# Altium PCB S7CAS-PLEIADES-CARTE-MERE_P07 - BACKUP.PcbDoc (part 3 of 3)
Units mm, origin at the board's own origin, x right, y up, seen from the top; angles counter-clockwise.
Board outline 241.19 x 260.25 mm, 14 copper layers (Top, GND_1, SIG_1, GND_2, PWR_1, GND_3, PWR_2, PWR_3, GND_4, PWR_4, GND_5, SIG_2, GND_6, Bottom), stack 1.753 mm thick; 544 components, 385 nets, 2428 pads, 179 vias.
Unrouted connection lines stored in the file: 1578.
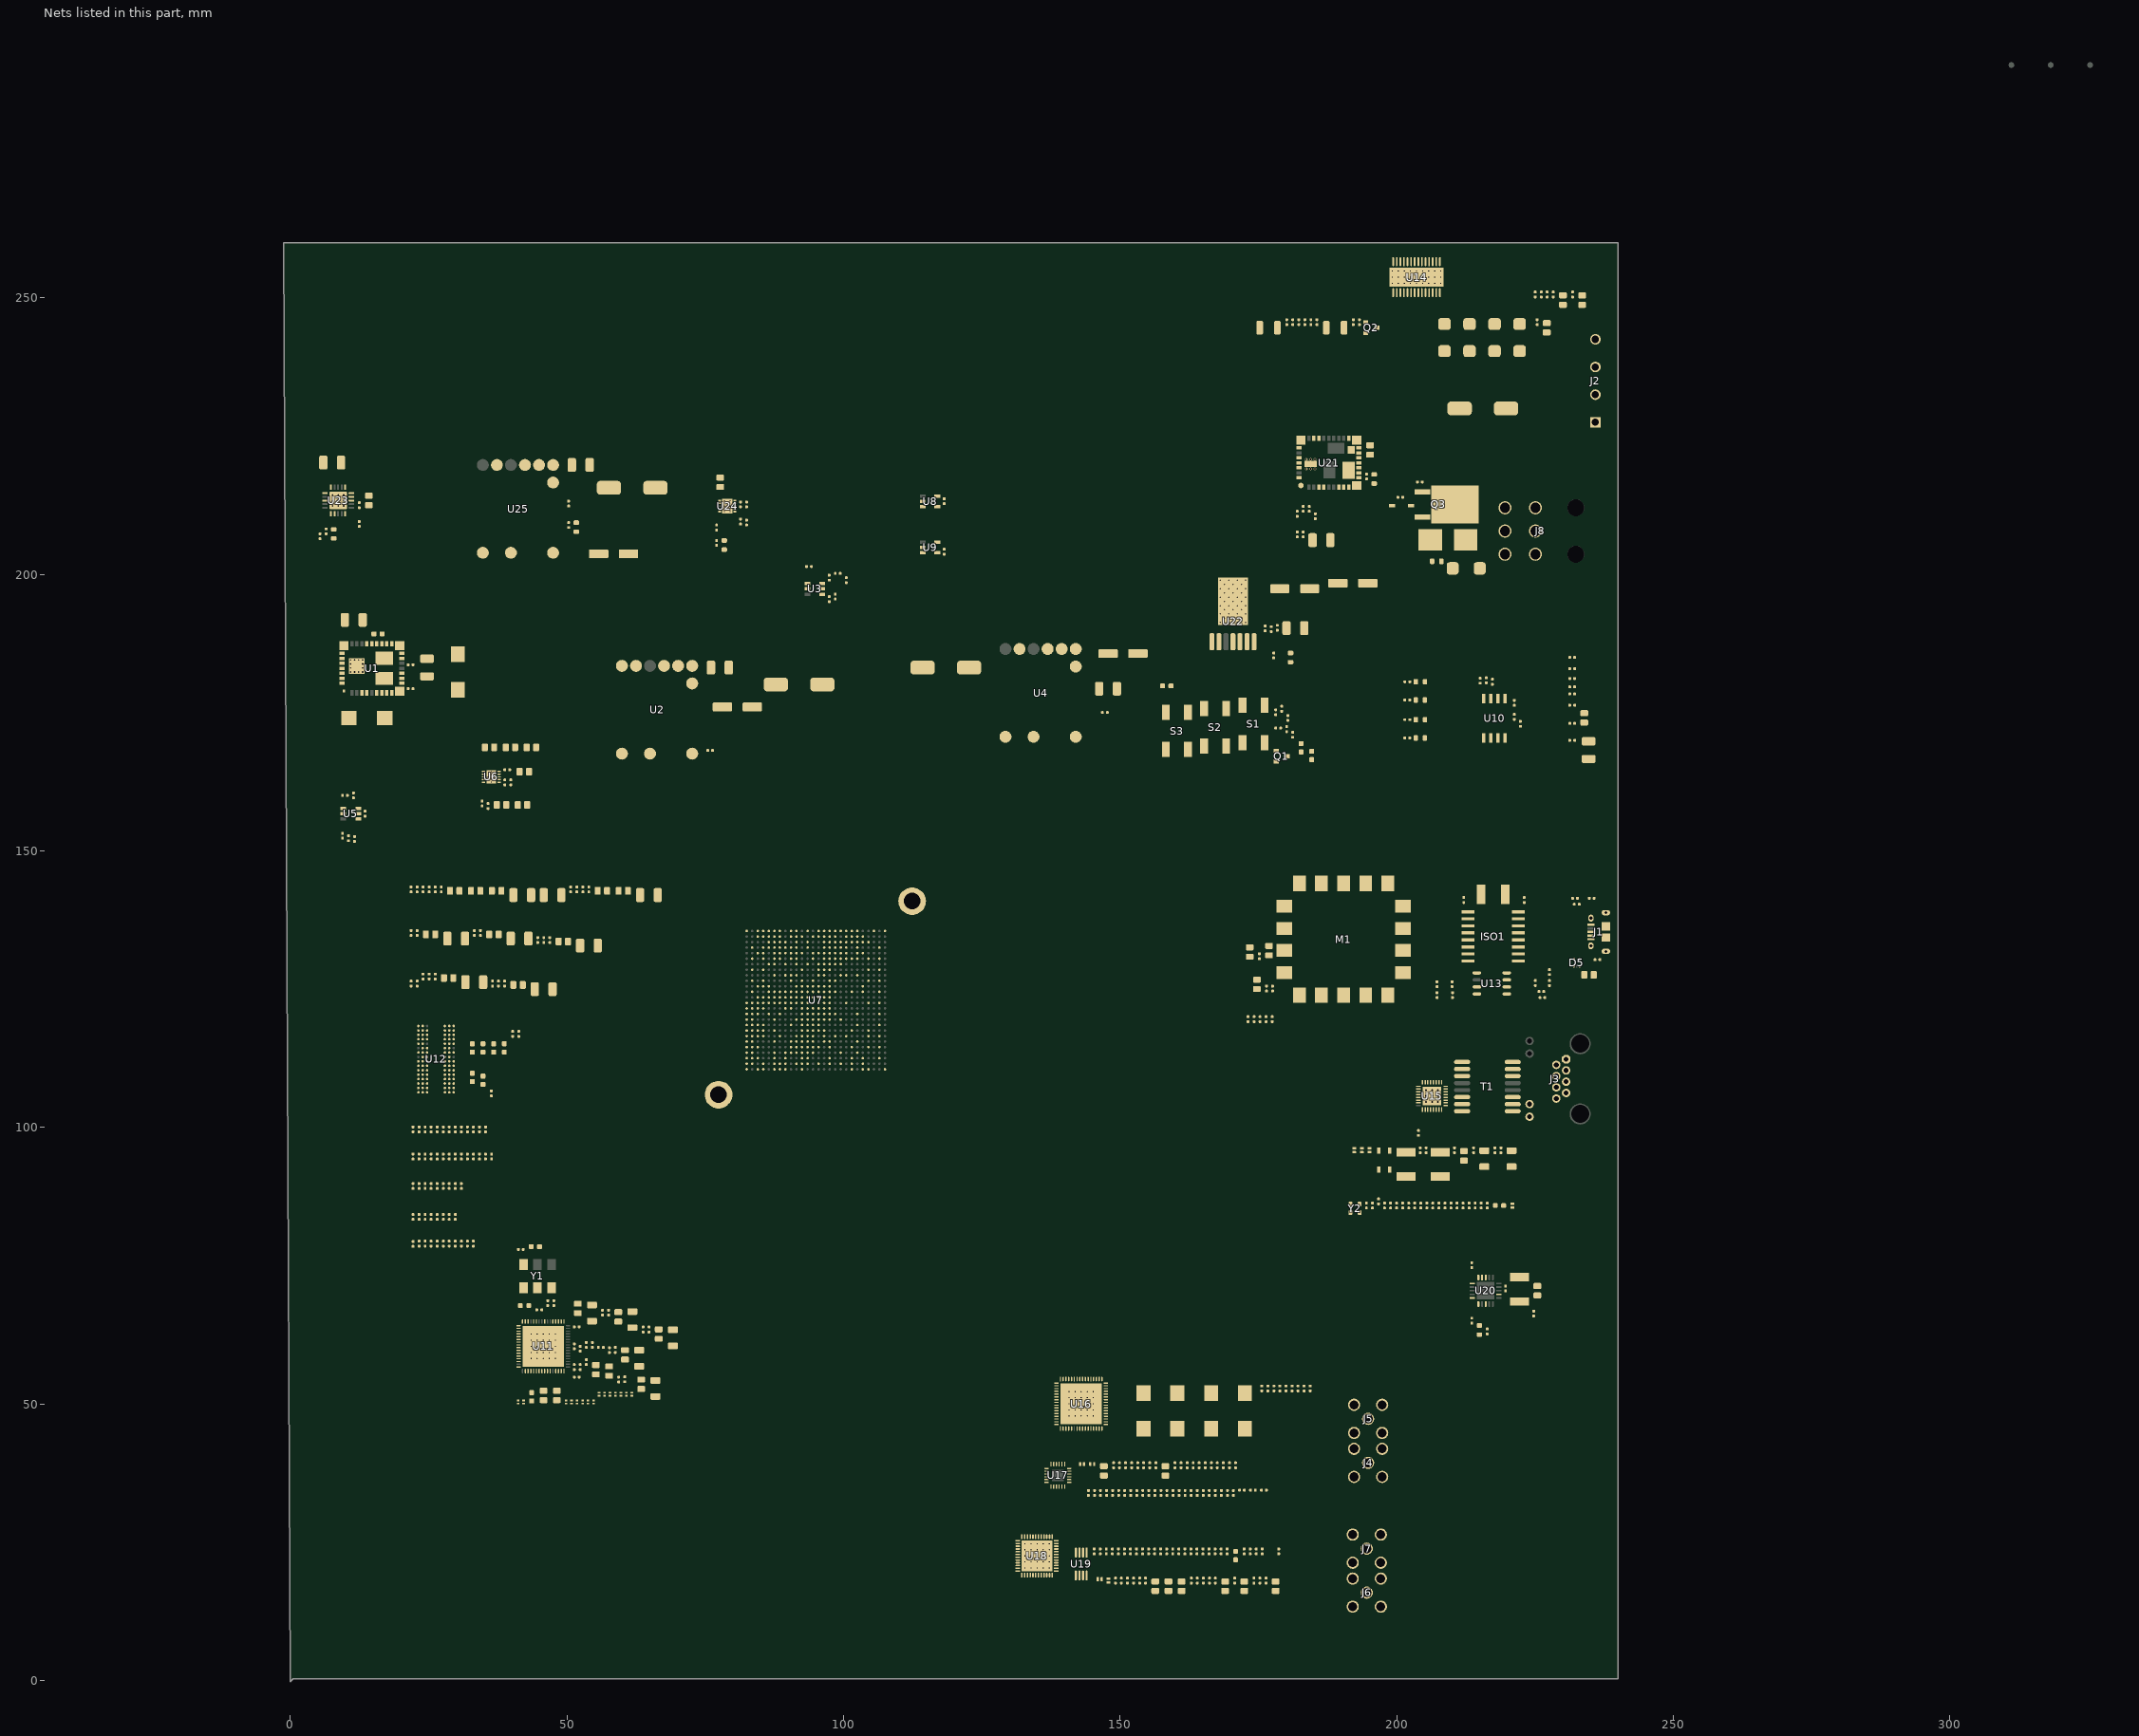
[diagram p13: the nets of this part, all layers, seen from the top]

## Part data (continued)
U15: library part COM_ETH_PHY_KSZ8091MNXCA, "COM - ETHERNET PHY 10/100 - QFN-32", Package=QFN-32, Supplier Part Number 1=576-4356-ND, Temperature="0°C ~ 70°C", Voltage="1.8V, 2.5V, 3.3V", CreatedBy="Jonathan Bouchard", HelpURL=http://ww1.microchip.com/downloads/en/DeviceDoc/00002275A.pdf, Mfg=Micrel, Mfg Part Number=KSZ8091MNXCA, Supplier 1=Digikey
U16: library part ADC_ADS62P48IRGCT, "ADC - 14 BIT 210MSPS SUAL - VQFN-64", Package=VQFN-64, Supplier Part Number 1=296-24611-1-ND, Temperature="-40°C ~ 85°C", Voltage="3.15 V ~ 3.6 V / 1.7 V ~ 1.9 V", CreatedBy="Jonathan Bouchard", HelpURL=http://www.ti.com/lit/ds/symlink/ads62p48.pdf, Mfg="Texas Instruments", Mfg Part Number=ADS62P48IRGCT, Precision="14 Bit", Supplier 1=Digikey
U17: library part OPAMP_ADA4927-2YCPZ-R2, "OPAMP - CFA 2.3GHZ - QFN-24", Current=65mA, Package=QFN-24, Supplier Part Number 1=ADA4927-2YCPZ-R2CT-ND, Temperature="-40°C ~ 105°C", Voltage="4.5 V ~ 11 V, ±2.25 V ~ 5.5 V", CreatedBy="Jonathan Bouchard", HelpURL=http://www.analog.com/media/en/technical-documentation/data-sheets/ADA4927-1_4927-2.pdf, Mfg="Analog Devices", Mfg Part Number=ADA4927-2YCPZ-R2, Supplier 1=Digikey
U18: library part DAC_AD9146BCPZ, "DAC - 16BIT SRL HIGH SPEED - QFN-48", Package=QFN-48, Supplier Part Number 1=AD9146BCPZ-ND, Temperature="-40°C ~ 85°C", Voltage="3.13 V ~ 3.47 V / 1.71 V ~ 1.89 V", CreatedBy="Jonathan Bouchard", HelpURL=http://www.analog.com/media/en/technical-documentation/data-sheets/AD9146.PDF, Mfg="Analog Devices Inc.", Mfg Part Number=AD9146BCPZ, Precision="16 Bit", Supplier 1=Digikey
U19: library part OPAMP_AD8056ARMZ, "OPAMP - VFB 300MHZ - 8MSOP", Current=60mA, Package=MSOP-8, Supplier Part Number 1=AD8056ARMZ-REEL7CT-ND, Temperature="-40°C ~ 125°C", Voltage="8 V ~ 12 V, ±4 V ~ 6 V", CreatedBy="Jonathan Bouchard", HelpURL=http://www.analog.com/media/en/technical-documentation/data-sheets/AD8055_8056.pdf, Mfg="Analog Devices", Mfg Part Number=AD8056ARMZ, Supplier 1=Digikey
U20: library part REG_LDO_TPS7A3301RGWR, "REG - LDO Negative Adjustable 1 Output -1.18V-33V 1A -  20-VQFN (5x5)", Current Rating=1A, Manufacturer #1="Texas Instruments", Package=20-VQFN, Supplier Part Number 1=296-39502-1-ND, Temperature="-40°C ~ 125°C", Voltage Rating=-36V, Assembly Type=SMD, CreatedBy/Date="Keven Deslandes - 2018/10/11", Cryo=UNKNOWN, GRAMS Lib Spec=2.8, HelpURL=http://www.ti.com/lit/ds/symlink/tps7a33.pdf, Magnetic Material=Unknown, Part Number #1=TPS7A3301RGWR, Polarized=Yes, Supplier 1=Digi-Key, VerifiedBy="Caroline Paulin - 11/12/2018"
U21: library part REG_SWR_LMZ34002RKGR, "REG - DC DC Converter -3V to -17V 2A - 41-B1QFN", Current Rating=2A, Manufacturer #1="Texas Instruments", Package=41-B1QFN, Power Max=15W, Supplier Part Number 1=296-44356-1-ND, Temperature="-40°C ~ 85°C", Voltage Rating=4.5-40V, Assembly Note="One reflow only", Assembly Type=SMD, CreatedBy/Date="P.Marcoux  20-06-2019", Cryo=UNKNOWN, GRAMS Lib Spec=2.8c, HelpURL=http://www.ti.com/lit/ds/symlink/lmz34002.pdf, Magnetic Material=Unknown, Part Number #1=LMZ34002RKGR, Polarized=Yes, Supplier 1=Digi-Key, VerifiedBy="C.Paulin - 22/01/2020"
U22: library part REG_SWR_LMZ23605TZE/NOPB, "REG - IC BUCK SYNC 36V 5A - TO-PMOD-7", Current Rating=5A, Manufacturer #1="Texas Instruments", Package=TO-PMOD-7, Supplier Part Number 1=296-35357-1-ND, Temperature="-40°C ~ 125°C", Voltage Rating="6 ~ 36 V", Assembly Type=SMD, CreatedBy/Date="Arnaud Samson - 05/07/18", Cryo=UNKNOWN, GRAMS Lib Spec=2.8, HelpURL=http://www.ti.com/lit/ds/symlink/lmz23605.pdf, Magnetic Material=YES, Note="One Reflow", Part Number #1=LMZ23605TZE/NOPB, Polarized=YES, Supplier 1=Digi-Key, VerifiedBy="Jonathan Bouchard 2018-07-13"
U23: library part REG_LDO_TPS7A4701RGWR, "REG - LINEAR POS ADJ 1A - 20VQFN", Current Rating=1A, Manufacturer #1="Texas Instruments", Manufacturer #2=TBD, Package="20-VQFN Exposed Pad", Supplier Part Number 1=296-37224-1-ND, Temperature="-40°C ~ 125°C", Tolerance=-, Voltage Rating="35V max", Assembly Type=SMD, CreatedBy/Date="L-P Gauthier / 2018-05-29", Cryo=UNKNOWN, GRAMS Lib Spec=2.8, HelpURL=http://www.ti.com/lit/ds/symlink/tps7a47.pdf, Magnetic Material=Unknown, Part Number #1=TPS7A4701RGWR, Part Number #2=TBD, Polarized=Yes, Supplier 1=Digi-Key, VerifiedBy="Caroline Paulin - 28 sept 2018"
U24: library part REG_LDO_NCP59744MN1ADJTBG, "REG - LINEAR POS ADJ 3A BIAS - 10-VFDFN", Current Rating=3A, Manufacturer #1="ON Semiconductor", Manufacturer #2=-, Package=10-VFDFN, Power Max=10.8W, Supplier Part Number 1=NCP59744MN1ADJTBGOSCT-ND, Temperature="-40°C ~ 125°C (TJ)", Voltage Rating="(Vout+VDO) ~ 5.5V", Assembly Type=SMD, CreatedBy/Date="Raphael Bouchard / 2019-06-07", Cryo=UNKNOWN, GRAMS Lib Spec=2.8, HelpURL=https://www.onsemi.com/pub/Collateral/NCP59744-D.PDF, Magnetic Material=Unknown, Note=-, Part Number #1=NCP59744MN1ADJTBG, Part Number #2=-, Polarized=Yes, Supplier 1=Digi-Key, Tolerance=-, VerifiedBy="C.Paulin - 13/06/2019"
Y1: library part OSC_590BD-BDG, "TIM - OSC PROG 125MHz ~ 214.999MHz LVDS 3.3V 7PPM EN/DS - 6-SMD", Current Rating="100 mA (supply)", Manufacturer #1="Silicon Labs", Package=6-SMD, Supplier Part Number 1=590BD-BDG-ND, Temperature="-40°C ~ 85°C", Voltage Rating="3.3V (supply)", Assembly Type=SMD, CreatedBy/Date="from 590BD-CDG", Cryo=UNKNOWN, GRAMS Lib Spec=2.8, HelpURL=https://www.silabs.com/documents/public/data-sheets/Si590-591.pdf, Magnetic Material=UNKNOWN, Note="Spécifié la fréquence lors de la commande", Part Number #1=590BD-BDG, Polarized=Yes, Supplier 1=Digi-Key, VerifiedBy="Caroline Paulin / 3/10/2019"
Y2: library part OSC_ASDMB-25.000MHZ-LC-T, "OSC - 25MHz XO (Standard) LVCMOS - 4-SMD, No Lead", Manufacturer #1="Abracon LLC", Package="4-SMD, No Lead", Supplier Part Number 1=535-11730-1-ND, Temperature="-40°C ~ +85°C", Tolerance=±50ppm, Voltage Rating="1.8V ~ 3.3V", Assembly Type=SMD, CreatedBy/Date="Joël Lemay 2019-03-29", Cryo=UNKNOWN, GRAMS Lib Spec=2.8, HelpURL=https://abracon.com/Oscillators/ASDMB.pdf, Magnetic Material=Unknown, Part Number #1=ASDMB-25.000MHZ-LC-T, Polarized=Yes, Supplier 1=Digi-Key, VerifiedBy="C. Paulin - 29 mai 2019"

## Via types
v1: diameter 0.5, hole 0.2, Top to Bottom, 110 vias
v2: diameter 0.508, hole 0.254, Top to Bottom, 39 vias
v3: diameter 0.5, hole 0.3, Top to Bottom, 15 vias
v4: diameter 0.559, hole 0.305, Top to Bottom, 9 vias
v5: diameter 0.4, hole 0.2, Top to Bottom, 6 vias

## Nets (pads, with @x,y where several pads share a name; then routed paths per layer and width w, separated by ;. In a path a pad name is that pad's centre, name@x,y a point inside that pad or via, vN(x,y) a via of type N, cw(c..) or ccw(c..) an arc to the next point about the centre after c; other vN are vias at no path point)
1V2: C7.2 C8.1 C60.2 C61.2 C62.2 C63.2 C64.2 C65.2 C66.2 U2.4 U2.5 U7.K11 U7.K17 U7.L10 U7.L12 U7.L14 U7.L16 U7.M11 U7.M13 U7.M15 U7.N12 U7.N14 U7.N16 U7.P11 U7.P13 U7.P15 U7.R12 U7.R14 U7.R16 U7.T11 U7.T13 U7.T15 U7.T17 U7.U10 U7.U16
1V5: C13.2 C14.1 C22.2 C23.2 C47.2 C48.2 C49.2 C50.2 C51.2 C122.1 C123.2 C126.1 C127.2 C129.1 C130.2 C132.1 C133.2 R10.2 R12.2 U4.4 U4.5 U6.2 U7.AC6 U7.AD2 U7.M7 U7.P4 U7.P9 U7.T2 U7.T7 U7.W4 U7.W6 U7.Y2 U12.A1 U12.A8 U12.B2 U12.C1 U12.C9 U12.D2 U12.D9 U12.E9 U12.F1 U12.G7 U12.H2 U12.H9 U12.K2 U12.K8 U12.N1 U12.N9 U12.R1 U12.R9
1V8: C5.2 C6.2 C52.2 C53.2 C54.2 C55.2 C217.2 C218.2 C219.2 C220.2 C221.2 C228.2 C229.2 C230.2 C231.2 C235.2 L15.1 R151.2 R152.2 U1.8 U1.9 U1.10 U1.11 U1.12 U1.13 U1.14 U1.36 U1.38 U7.D2 U7.F4 U7.H2 U7.J6 U7.K4 U7.M2 U16.1 U16.38 U16.48 U16.58 U18.8 U18.29 U18.35
3V3A: C212.2 C213.2 C214.2 C215.2 C216.2 C236.2 C237.2 C238.2 C239.2 C240.2 C262.2 D15.A R34.2 R174.2 U16.16 U16.33 U16.34 U18.37 U18.40 U18.45 U18.48 U24.9 U24.10
3V3D: C1.1 C2.2 C3.2 C4.2 C9.2 C12.1 C15.2 C16.2 C26.2 C27.2 C28.2 C29.2 C30.2 C31.2 C32.2 C33.2 C34.2 C35.2 C36.2 C37.2 C38.2 C39.2 C40.2 C41.2 C42.2 C43.2 C46.2 C56.2 C57.2 C58.2 C59.2 C67.2 C68.2 C69.2 C70.2 C71.2 C72.2 C73.2 C74.2 C75.2 C76.2 C77.2 C78.2 C82.2 C86.2 C87.2 C88.2 C92.2 C96.2 C151.2 C153.2 C154.2 C155.2 C156.2 C157.2 C158.2 C160.2 C161.2 C167.2 C178.2 C179.2 C187.2 C260.2 C261.1 D1.A D2.A D3.A D4.A D6.1 D14.A ISO1.14 ISO1.16 L1.2 L2.2 L3.2 L4.2 L5.2 L6.2 M1.2 M1.8 M1.15 R1.2 R2.2 R8.2 R9.2 R14.2 R17.2 R18.2 R19.2 R20.2 R21.1 R23.1 R25.2 R26.2 R71.2 R72.2 R84.2 R87.2 R88.2 R89.2 R94.2 R95.2 R96.2 R98.2 R177.2 S1.1 S1.2 U1.30 U1.31 U1.32 U2.2 U2.9 U3.6 U4.2 U4.9 U5.6 U6.10 U7.AA6 U7.AA10 U7.AA16 U7.AA21 U7.AB14 U7.AB23 U7.AC10 U7.AC18 U7.AC21 U7.AD25 U7.AE8 U7.AE12 U7.AE16 U7.AE20 U7.B3 U7.B7 U7.B11 U7.B15 U7.B19 U7.C22 U7.D9 U7.D17 U7.D25 U7.E13 U7.F6 U7.F21 U7.F23 U7.G10 U7.G12 U7.G15 U7.G18 U7.H14 U7.H25 U7.J9 U7.J18 U7.J21 U7.K13 U7.K23 U7.L5 U7.L22 U7.M17 U7.M20 U7.M25 U7.N10 U7.P23 U7.T25 U7.U6 U7.U14 U7.U18 U7.V9 U7.V21 U7.W23 U7.Y12 U7.Y17 U7.Y19 U7.Y25 U8.3 U9.3 U10.3 U10.7 U10.8 U13.8 U14.10 U15.17 U25.4 U25.5 Y1.6 Y2.1 Y2.4
5V: C188.1 C189.2 C191.1 C192.2 C197.2 C199.2 C201.1 C202.2 C204.1 C205.2 C222.2 C223.2 C256.2 D16.A R172.2 U17.3 U17.4 U17.9 U17.10 U17.14 U17.20 U19.8 U23.1 U23.20
5V5: C253.1 C254.1 C255.2 C259.1 C263.2 C264.2 D13.A R167.2 U22.7 U23.13 U23.15 U23.16 U24.1 U24.2 U24.4 U24.5 U25.2 U25.9
24V: C168.1 C169.2 C170.2 C175.2 C248.2 C252.2 D12.1 Q3.3 R156.2 R166.2 U14.15 U14.28 U21.26 U22.1
-5V: C195.2 C196.2 C198.1 C200.2 C208.2 C209.2 C225.2 C226.2 C245.2 C246.2 R157.2 R164.1 U17.15 U17.16 U17.21 U17.22 U19.4 U20.1 U20.20
-6V: C244.2 C249.2 C250.2 C251.2 R163.1 R168.1 R169.1 U20.13 U20.15 U20.16 U21.1 U21.4 U21.5 U21.8 U21.9 U21.16 U21.17 U21.18 U21.19 U21.20 U21.29 U21.32 U21.33 U21.34 U21.37 U21.40
  other v3: 183.664,219.082 184.444,219.082 185.224,219.082 183.664,220.802 184.444,220.802 185.224,220.802
ADC_CLKIN_DIR_N: C211.1 U16.26
ADC_CLKIN_DIR_P: C210.1 U16.25
ADC_CLKOUT_N: U7.A15 U16.56
ADC_CLKOUT_P: U7.C15 U16.57
ADC_CTRL1: U7.C21 U16.35
ADC_CTRL2: U7.A21 U16.36
ADC_CTRL3: U7.B22 U16.37
ADC_RESET: U7.C19 U16.12
ADC_SCLK: U7.A19 U16.13
ADC_SDATA: U7.A20 U16.14
ADC_SDOUT: R132.1 U7.A18
ADC_SEN: U7.B20 U16.15
ADCIN_A_N: R120.2 U17.19
ADCIN_A_P: R115.2 U17.18
ADCIN_B_N: R128.2 U17.13
ADCIN_B_P: R123.2 U17.12
AOUT1: D21.1 J2.1 U14.4
AOUT2: D22.1 J2.2 U14.25
BOUT1: D23.1 J2.3 U14.11
BOUT2: D24.1 J2.4 U14.18
BTN_0: C44.2 R22.1 U7.AD6
BTN_1: C45.2 R24.1 U7.AF6
CLK_100MHz_N: U7.A14 U11.17
CLK_100MHz_P: U7.B14 U11.16
CLK_125M_N: U11.45 Y1.5
CLK_125M_P: U11.46 Y1.4
CLK_200MHz_N: C211.2 R131.1 U11.20
CLK_200MHz_P: C210.2 R131.2 U11.19
CLK_400MHz_N: C243.2 R154.1 U11.28
CLK_400MHz_P: C242.2 R154.2 U11.27
CLK_PLL_LOCK: R37.2 U7.A10
CLK_PWRDN#: U7.A9 U11.12
CLK_SPI_CLK: U7.F10 U11.24
CLK_SPI_CS#: U7.E10 U11.25
CLK_SPI_MISO: R39.2 U7.C10
CLK_SPI_MOSI: U7.D10 U11.23
CLK_SYNC#: U7.B10 U11.14
CLK_VCC1_PLL: C83.2 C84.2 C85.2 C104.2 L2.1 U11.5
CLK_VCC2_PLL: C93.2 C94.2 C95.2 C113.2 C114.2 L4.1 U11.39 U11.42
CLK_VCC_IN: C79.2 C80.2 C81.2 C102.2 C103.2 L1.1 U11.1 U11.47
CLK_VCC_OUT: C97.2 C98.2 C99.2 C105.2 C106.2 C107.2 C108.2 C109.2 C110.2 C111.2 C112.2 L5.1 U11.8 U11.11 U11.15 U11.18 U11.21 U11.26 U11.29 U11.32
CLK_VCC_VCO: C89.2 C90.2 C91.2 C118.2 C119.2 L3.1 U11.34 U11.35
CONFIG_CCLK: R25.1 R32.2 U7.AD22 U10.6
CONFIG_CSO: R26.1 U7.AF4 U10.1
CONFIG_DONE: R14.1 U7.AF23
CONFIG_MISO_1: R30.1 U7.AD20
CONFIG_MOSI/MISO_0: R28.1 U7.AF20
DA0_N: U7.A16 U16.40
DA0_P: U7.B16 U16.41
DA2_N: U7.G14 U16.42
DA2_P: U7.J14 U16.43
DA4_N: U7.D15 U16.44
DA4_P: U7.E14 U16.45
DA6_N: U7.C16 U16.46
DA6_P: U7.D16 U16.47
DA8_N: U7.F15 U16.50
DA8_P: U7.G16 U16.51
DA10_N: U7.E17 U16.52
DA10_P: U7.F17 U16.53
DA12_N: U7.E16 U16.54
DA12_P: U7.F16 U16.55
DAC_CS#: U7.E3 U18.33
DAC_D0_N: U7.A4 U18.28
DAC_D0_P: U7.B4 U18.27
DAC_D1_N: U7.D5 U18.26
DAC_D1_P: U7.E6 U18.25
DAC_D2_N: U7.A5 U18.24
DAC_D2_P: U7.C5 U18.23
DAC_D3_N: U7.F7 U18.22
DAC_D3_P: U7.G8 U18.21
DAC_D4_N: U7.A6 U18.16
DAC_D4_P: U7.B6 U18.15
DAC_D5_N: U7.A7 U18.14
DAC_D5_P: U7.C7 U18.13
DAC_D6_N: U7.C6 U18.12
DAC_D6_P: U7.D6 U18.11
DAC_D7_N: U7.D7 U18.10
DAC_D7_P: U7.E8 U18.9
DAC_DCI_N: U7.C8 U18.18
DAC_DCI_P: U7.D8 U18.17
DAC_FRAME_N: U7.E9 U18.20
DAC_FRAME_P: U7.F9 U18.19
DAC_IRQ#: R151.1 U7.G6 U18.34
DAC_REFCLK_DIR_N: C243.1 U18.7
DAC_REFCLK_DIR_P: C242.1 U18.6
DAC_RESET#: U7.J10 U18.36
DAC_SCLK: U7.K9 U18.32
DAC_SDIO: U7.E4 U18.31
DAC_TXENABLE: U7.G5 U18.30
DB0_N: U7.A17 U16.60
DB0_P: U7.C17 U16.61
DB2_N: U7.H15 U16.62
DB2_P: U7.J15 U16.63
DB4_N: U7.C18 U16.2
DB4_P: U7.D18 U16.3
DB6_N: U7.D19 U16.4
DB6_P: U7.E19 U16.5
DB8_N: U7.G17 U16.6
DB8_P: U7.H16 U16.7
DB10_N: U7.C20 U16.8
DB10_P: U7.D21 U16.9
DB12_N: U7.E18 U16.10
DB12_P: U7.F18 U16.11
DDR_PWR_EN: R9.1 U5.1 U6.7
DRAM_A0: R41.1 U7.N7 U12.N3
DRAM_A1: R42.1 U7.N6 U12.P7
DRAM_A2: U7.R9 U12.P3
DRAM_A3: R43.1 U7.P7 U12.N2
DRAM_A4: R44.1 U7.N9 U12.P8
DRAM_A5: R45.1 U7.R2 U12.P2
DRAM_A6: R46.1 U7.R1 U12.R8
DRAM_A7: R47.1 U7.P10 U12.R2
DRAM_A8: R48.1 U7.N4 U12.T8
DRAM_A9: R49.1 U7.N3 U12.R3
DRAM_A10: R50.1 U7.M10 U12.L7
DRAM_A11: R51.1 U7.L3 U12.R7
DRAM_A12: R52.1 U7.M8 U12.N7
DRAM_A13: R53.1 U7.M6 U12.T3
DRAM_BA0: R54.1 U7.P3 U12.M2
DRAM_BA1: R55.1 U7.P1 U12.N8
DRAM_BA2: R56.1 U7.N5 U12.M3
DRAM_CAS#: R66.2 U7.P8 U12.K3
DRAM_CK_N: R69.2 U7.R3 U12.K7
DRAM_CK_P: R68.2 U7.R4 U12.J7
DRAM_CKE: R62.2 U7.M9 U12.K9
DRAM_DQ0: U7.Y3 U12.E3
DRAM_DQ1: U7.Y1 U12.F7
DRAM_DQ2: U7.W2 U12.F2
DRAM_DQ3: U7.W1 U12.F8
DRAM_DQ4: U7.T3 U12.H3
DRAM_DQ5: U7.T1 U12.H8
DRAM_DQ6: U7.U2 U12.G2
DRAM_DQ7: U7.U1 U12.H7
DRAM_DQ8: U7.AA2 U12.D7
DRAM_DQ9: U7.AA1 U12.C3
DRAM_DQ10: U7.AE2 U12.C8
DRAM_DQ11: U7.AE1 U12.C2
DRAM_DQ12: U7.AD3 U12.A7
DRAM_DQ13: U7.AD1 U12.A2
DRAM_DQ14: U7.AB3 U12.B8
DRAM_DQ15: U7.AB1 U12.A3
DRAM_LDM: R64.2 U7.W3 U12.E7
DRAM_LDQS_N: U7.V1 U12.G3
DRAM_LDQS_P: U7.V3 U12.F3
DRAM_ODT: R57.1 U7.P6 U12.K1
DRAM_RAS#: R65.2 U7.N8 U12.J3
DRAM_RESET#: U7.L4 U12.T2
DRAM_UDM: R63.2 U7.V4 U12.D3
DRAM_UDQS_N: U7.AC1 U12.B7
DRAM_UDQS_P: U7.AC2 U12.C7
DRAM_WE#: R67.2 U7.P5 U12.L3
ENA_1V2: R1.1 U2.10 U3.1
ETH_COL: R97.2 U7.AA13
ETH_CRS: R99.2 U7.AB13
ETH_INTER: R95.1 R100.2 U7.AA12
ETH_LED: J3.11 R108.2 U15.30
ETH_MDC: U7.Y13 U15.12
ETH_MDIO: R96.1 U7.W13 U15.11
ETH_RST#: D7.1 U7.AC12
ETH_RXC: R112.2 U7.AC13
ETH_RXD0: R103.2 U7.AA11
ETH_RXD1: R109.2 U7.AB11
ETH_RXD2: R110.2 U7.V13
ETH_RXD3: R111.2 U7.W14
ETH_RXDV: R101.2 U7.U15
ETH_RXER: R102.2 U7.V14
ETH_TXC: R113.2 U7.AD12
ETH_TXD0: U7.V12 U15.24
ETH_TXD1: U7.W12 U15.25
ETH_TXD2: U7.AE11 U15.26
ETH_TXD3: U7.AF11 U15.27
ETH_TXEN: U7.AC11 U15.23
ETH_TXER: U7.AD11 U15.31
GND: C1.2 C2.1 C3.1 C4.1 C5.1 C6.1 C7.1 C8.2 C9.1 C10.1 C11.1 C12.2 C13.1 C14.2 C15.1 C16.1 C17.1 C18.1 C19.1 C20.1 C21.1 C22.1 C23.1 C24.1 C25.1 C26.1 C27.1 C28.1 C29.1 C30.1 C31.1 C32.1 C33.1 C34.1 C35.1 C36.1 C37.1 C38.1 C39.1 C40.1 C41.1 C42.1 C44.1 C45.1 C46.1 C47.1 C48.1 C49.1 C50.1 C51.1 C52.1 C53.1 C54.1 C55.1 C56.1 C57.1 C58.1 C59.1 C60.1 C61.1 C62.1 C63.1 C64.1 C65.1 C66.1 C67.1 C68.1 C69.1 C70.1 C71.1 C72.1 C73.1 C74.1 C75.1 C76.1 C77.1 C78.1 C79.1 C80.1 C81.1 C82.1 C83.1 C84.1 C85.1 C86.1 C87.1 C88.1 C89.1 C90.1 C91.1 C92.1 C93.1 C94.1 C95.1 C96.1 C97.1 C98.1 C99.1 C102.1 C103.1 C104.1 C105.1 C106.1 C107.1 C108.1 C109.1 C110.1 C111.1 C112.1 C113.1 C114.1 C115.1 C116.1 C117.1 C118.1 C119.1 C120.1 C121.1 C122.2 C123.1 C124.1 C125.1 C126.2 C127.1 C128.1 C129.2 C130.1 C131.1 C132.2 C133.1 C134.1 C135.1 C136.1 C137.1 C138.2 C139.2 C140.1 C141.1 C142.1 C143.1 C144.1 C145.1 C146.1 C147.1 C148.1 C149.1 C150.1 C151.1 C153.1 C154.1 C155.1 C156.1 C157.1 C158.1 C160.1 C161.1 C165.1 C166.2 C167.1 C168.2 C170.1 C172.1 C173.1 C174.1 C175.1 C176.1 C177.1 C178.1 C179.1 C180.1 C181.1 C182.1 C183.2 C184.1 C185.1 C187.1 C188.2 C189.1 C190.1 C191.2 C192.1 C193.1 C195.1 C196.1 C197.1 C198.2 C199.1 C200.1 C201.2 C202.1 C203.1 C204.2 C205.1 C206.1 C208.1 C209.1 C212.1 C213.1 C214.1 C215.1 C216.1 C217.1 C218.1 C219.1 C220.1 C221.1 C222.1 C223.1 C225.1 C226.1 C228.1 C229.1 C230.1 C231.1 C232.1 C233.1 C234.1 C235.1 C236.1 C237.1 C238.1 C239.1 C240.1 C241.1 C244.1 C246.1 C247.1 C248.1 C249.1 C250.1 C251.1 C252.1 C253.2 C254.2 C255.1 C256.1 C257.1 C258.1 C259.2 C260.1 C261.2 C262.1 C263.1 C264.1 C265.1 C266.2 C267.2 C268.2 C269.2 C270.1 C271.1 D8.2 D9.2 D10.2 D11.2 D17.A D18.A D19.2 D20.K D21.2 D22.2 D23.2 D24.2 HS1.1 HS1.2 ISO1.9 ISO1.15 J4.2 J4.3 J4.4 J4.5 J5.2 J5.3 J5.4 J5.5 J6.2 J6.3 J6.4 J6.5 J7.2 J7.3 J7.4 J7.5 J8.4 J8.5 J8.6 M1.1 M1.7 M1.14 Q1.2 Q2.2 R3.1 R4.1 R5.1 R6.1 R7.1 R11.1 R13.1 R16.2 R32.1 R35.1 R36.1 R40.1 R58.1 R59.1 R60.1 R61.1 R85.1 R86.1 R90.1 R91.1 R92.1 R93.1 R108.1 R114.1 R118.1 R126.1 R139.1 R140.1 R141.1 R148.1 R149.1 R150.1 R153.1 R155.1 R158.1 R159.1 R160.1 R161.1 R162.1 R165.1 R170.1 R171.1 R173.1 R175.1 R176.1 R178.1 S2.3 S2.4 S3.3 S3.4 U1.1 U1.5 U1.7 U1.29 U1.33 U1.34 U1.37 U2.1 U2.3 U2.6 U3.2 U4.1 U4.3 U4.6 U5.2 U6.4 U6.8 U6.11 U7.A1 U7.A26 U7.AB2 U7.AB12 U7.AB16 U7.AB20 U7.AB25 U7.AC8 U7.AD16 U7.AE6 U7.AE10 U7.AE14 U7.AE18 U7.AE22 U7.AF1 U7.AF22 U7.AF26 U7.B5 U7.B9 U7.B13 U7.B17 U7.B21 U7.D4 U7.E7 U7.E11 U7.E15 U7.E22 U7.F2 U7.F19 U7.F25 U7.H4 U7.H11 U7.H23 U7.J8 U7.J19 U7.K2 U7.K16 U7.K25 U7.L11 U7.L13 U7.L15 U7.M5 U7.M12 U7.M14 U7.M16 U7.M22 U7.N11 U7.N13 U7.N15 U7.P2 U7.P12 U7.P14 U7.P16 U7.P19 U7.P25 U7.R8 U7.R11 U7.R13 U7.R15 U7.T5 U7.T12 U7.T14 U7.T16 U7.T21 U7.U11 U7.V2 U7.V25 U7.W15 U7.W20 U7.Y4 U7.Y7 U7.Y11 U7.Y23 U8.2 U9.2 U10.4 U11.36 U11.PAD U12.A9 U12.B1 U12.B3 U12.B9 U12.D1 U12.D8 U12.E1 U12.E2 U12.E8 U12.F9 U12.G1 U12.G8 U12.G9 U12.J2 U12.J8 U12.M1 U12.M9 U12.P1 U12.P9 U12.T1 U12.T9 U13.5 U14.7 U14.21 U14.PAD U15.1 U15.33 U15.34 U15.35 U15.36 U15.37 U15.38 U15.39 U15.40 U15.41 U15.42 U16.17 U16.18 U16.21 U16.24 U16.27 U16.28 U16.31 U16.32 U16.39 U16.49 U16.59 U16.PAD U18.5 U18.41 U18.44 U18.PAD U20.7 U21.10 U21.11 U21.12 U21.13 U21.14 U21.15 U21.39 U22.2 U22.4 U22.8 U23.6 U23.7 U23.10 U23.E1 U24.6 U24.11 U25.1 U25.3 U25.6 Y1.3 Y2.2
  other v1: 132.8,20.3 133.9,20.3 135,20.3 136.1,20.3 137.2,20.3 132.8,21.4 133.9,21.4 135,21.4 136.1,21.4 137.2,21.4 132.8,22.5 133.9,22.5 135,22.5 136.1,22.5 137.2,22.5 132.8,23.6 133.9,23.6 135,23.6 136.1,23.6 137.2,23.6 132.8,24.7 133.9,24.7 135,24.7 136.1,24.7 137.2,24.7 140.772,47.8 141.873,47.8 142.973,47.8 144.073,47.8 145.173,47.8 140.772,48.9 141.873,48.9 142.973,48.9 144.073,48.9 145.173,48.9 140.772,50 141.873,50 142.973,50 144.073,50 145.173,50 140.772,51.1 141.873,51.1 142.973,51.1 144.073,51.1 145.173,51.1 140.772,52.2 141.873,52.2 142.973,52.2 144.073,52.2 145.173,52.2 43.522,58.194 44.622,58.194 45.722,58.194 46.822,58.194 47.923,58.194 43.522,59.294 44.622,59.294 45.722,59.294 46.822,59.294 47.923,59.294 43.522,60.394 44.622,60.394 45.722,60.394 46.822,60.394 47.923,60.394 43.522,61.494 44.622,61.494 45.722,61.494 46.822,61.494 47.923,61.494 43.522,62.594 44.622,62.594 45.722,62.594 46.822,62.594 47.923,62.594 36.322,162.426 35.747,163.376 36.897,163.376 36.322,164.326 199.198,252.64 200.298,252.64 201.398,252.64 202.498,252.64 203.598,252.64 204.698,252.64 205.798,252.64 206.898,252.64 207.998,252.64 199.198,253.74 200.298,253.74 201.398,253.74 202.498,253.74 203.598,253.74 204.698,253.74 205.798,253.74 206.898,253.74 207.998,253.74 199.198,254.84 200.298,254.84 201.398,254.84 202.498,254.84 203.598,254.84 204.698,254.84 205.798,254.84 206.898,254.84 207.998,254.84
  other v2: 168.128,191.3 169.652,191.3 171.176,191.3 172.7,191.3 168.89,192.062 170.414,192.062 171.938,192.062 168.128,192.824 169.652,192.824 171.176,192.824 172.7,192.824 168.89,193.586 170.414,193.586 171.938,193.586 168.128,194.348 169.652,194.348 171.176,194.348 172.7,194.348 168.89,195.11 170.414,195.11 171.938,195.11 168.128,195.872 169.652,195.872 171.176,195.872 172.7,195.872 168.89,196.634 170.414,196.634 171.938,196.634 168.128,197.396 169.652,197.396 171.176,197.396 172.7,197.396 168.89,198.158 170.414,198.158 171.938,198.158 168.128,198.92 169.652,198.92 171.176,198.92 172.7,198.92
  other v4: 7.636,212.36 8.636,212.36 9.636,212.36 7.636,213.36 8.636,213.36 9.636,213.36 7.636,214.36 8.636,214.36 9.636,214.36
  other v5: 78.486,211.328 79.486,211.328 78.486,212.328 79.486,212.328 78.486,213.328 79.486,213.328
GND_ETH: C183.1 C186.2 D25.2 D26.2 D27.2 D28.2
GND_USB: C152.1 C159.1 C162.1 C163.1 C164.1 C165.2 D5.4 ISO1.2 ISO1.8 J1.5 R83.1 U13.3 U13.4
INIT_B: R19.1 U7.AE4
JTAG_TCK: R74.1 U7.E21
JTAG_TDI: M1.12 U7.F20
JTAG_TDO: R75.1 U7.A24
JTAG_TMS: R76.1 U7.C23
LED0: R27.1 U7.AA9
LED1: R29.1 U7.AB9
LED2: R31.1 U7.AE7
LED3: R33.1 U7.AF7
MOT_DIR: U7.V11 U14.3
MOT_ENA#: U7.U12 U14.26
MOT_HOME: Q2.3 R87.1 U7.AC9
MOT_HOME#: Q2.1 R88.1 U14.2
MOT_RESET#: U7.U13 U14.17
MOT_SLP#: U7.Y10 U14.27
MOT_SR#: U7.AF8 U14.16
MOT_STEP: U7.AB10 U14.19
MOT_USM0: U7.W11 U14.13
MOT_USM1: U7.AD8 U14.12
NetC10_2: C10.2 R2.1 R4.2 U3.5
NetC11_2: C11.2 U3.4
NetC20_2: C20.2 R10.1 R11.2 U5.5
NetC21_2: C21.2 U5.4
NetC24_2: C24.2 R12.1 R13.2 U6.1
NetC43_1: C43.1 Q1.1 R15.1
NetC100_1: C100.1 C101.1 U11.41
NetC100_2: C100.2 R38.1 U11.40
NetC101_2: C101.2 R38.2
NetC115_2: C115.2 U11.38
NetC116_2: C116.2 U11.4
NetC117_2: C117.2 U11.48
NetC166_1: C166.1 U14.20
NetC169_1: C169.1 U14.22
NetC171_1: C171.1 U14.24
NetC171_2: C171.2 U14.23
NetC172_2: C172.2 R89.1 R90.2 U14.5
NetC173_2: C173.2 R91.2 U14.6
NetC174_2: C174.2 R92.2 U14.9
NetC176_2: C176.2 C177.2 L6.1 U15.3
NetC180_2: C180.2 C182.2 U15.2
NetC181_2: C181.2 D6.2 D7.2 R94.1 U15.32
NetC184_2: C184.2 T1.2
NetC185_2: C185.2 T1.7
NetC186_1: C186.1 R104.1 R105.1 R106.1 R107.1
NetC194_1: C194.1 L8.1 R117.1 R121.2
NetC194_2: C194.2 L7.1 R116.2 R117.2
NetC207_1: C207.1 L10.1 R125.1 R129.2
NetC207_2: C207.2 L9.1 R124.2 R125.2
NetC224_1: C224.1 L12.1 R137.2
NetC224_2: C224.2 L11.1 R135.2
NetC227_1: C227.1 L14.1 R146.2
NetC227_2: C227.2 L13.1 R144.2
NetC232_2: C232.2 C233.2 C234.2 L15.2 U18.1 U18.2
NetC241_2: C241.2 U18.42
NetC245_1: C245.1 R157.1 R165.2 U20.3
NetC247_2: C247.2 U20.14
NetC257_2: C257.2 U22.6
NetC258_2: C258.2 U23.14
NetC265_2: C265.2 U24.7
NetD1_K: D1.K R27.2
NetD2_K: D2.K R29.2
NetD3_K: D3.K R31.2
NetD4_K: D4.K R33.2
NetD8_1: D8.1 J4.1 R118.2 RG1.2
NetD9_1: D9.1 J5.1 R126.2 RG2.2
NetD10_1: D10.1 J6.1 R136.1
NetD11_1: D11.1 J7.1 R145.1
NetD12_2: D12.2 Q3.1 R158.2
NetD13_K: D13.K R159.2
NetD14_K: D14.K R160.2
NetD15_K: D15.K R161.2
NetD16_K: D16.K R162.2
NetD17_K: D17.K R163.2
NetD18_K: D18.K R164.2
NetD19_1: D19.1 F1.2 Q3.2
NetD20_A: D20.A R156.1
NetF1_1: F1.1 J8.1 J8.2 J8.3
NetJ3_4: J3.4 J3.5 R106.2
NetJ3_7: J3.7 J3.8 R107.2
NetJ3_12: J3.12 R98.1
NetL7_2: L7.2 R115.1
NetL8_2: L8.2 R120.1
NetL9_2: L9.2 R123.1
NetL10_2: L10.2 R128.1
NetL11_2: L11.2 R134.1
NetL12_2: L12.2 R138.1
NetL13_2: L13.2 R143.1
NetL14_2: L14.2 R147.1
NetM1_4: M1.4 R80.2
NetM1_6: M1.6 R77.2
NetM1_10: M1.10 R74.2
NetM1_11: M1.11 R75.2
NetM1_13: M1.13 R76.2
NetR3_2: R3.2 U2.7
NetR5_2: R5.2 U1.4
NetR6_2: R6.2 U1.35
NetR7_2: R7.2 U4.7
NetR15_2: R15.2 R16.1 S1.3 S1.4
NetR21_2: R21.2 R22.2 S2.1 S2.2
NetR23_2: R23.2 R24.2 S3.1 S3.2
NetR28_2: R28.2 U10.5
NetR30_2: R30.2 U10.2
NetR34_1: R34.1 U11.3
NetR35_2: R35.2 U11.2
NetR36_2: R36.2 U11.43
NetR37_1: R37.1 U11.37
NetR39_1: R39.1 U11.22
NetR40_2: R40.2 U11.30
NetR58_2: R58.2 U12.L8
NetR59_2: R59.2 U12.L2
NetR60_2: R60.2 R119.2
NetR61_2: R61.2 R127.2
NetR84_1: R84.1 R85.2 U14.8
NetR86_2: R86.2 U14.1
NetR93_2: R93.2 U14.14
NetR97_1: R97.1 U15.28
NetR99_1: R99.1 U15.29
NetR100_1: R100.1 U15.21
NetR101_1: R101.1 U15.18
NetR102_1: R102.1 U15.20
NetR103_1: R103.1 U15.16
NetR104_2: R104.2 T1.10
NetR105_2: R105.2 T1.15
NetR109_1: R109.1 U15.15
NetR110_1: R110.1 U15.14
NetR111_1: R111.1 U15.13
NetR112_1: R112.1 U15.19
NetR113_1: R113.1 U15.22
NetR114_2: R114.2 U15.10
NetR116_1: R116.1 U16.29
NetR119_1: R119.1 R122.2 U17.1
NetR121_1: R121.1 U16.30
NetR122_1: R122.1 U17.2
NetR124_1: R124.1 U16.19
NetR127_1: R127.1 R130.2 U17.7
NetR129_1: R129.1 U16.20
NetR130_1: R130.1 U17.8
NetR132_2: R132.2 U16.64
NetR133_1: R133.1 R136.2 U19.1
NetR133_2: R133.2 R135.1 U19.2
NetR134_2: R134.2 R141.2 U18.47
NetR137_1: R137.1 R139.2 U19.3
NetR138_2: R138.2 R140.2 U18.46
NetR142_1: R142.1 R145.2 U19.7
NetR142_2: R142.2 R144.1 U19.6
NetR143_2: R143.2 R150.2 U18.38
NetR146_1: R146.1 R148.2 U19.5
NetR147_2: R147.2 R149.2 U18.39
NetR152_1: R152.1 U18.3
NetR153_2: R153.2 U18.43
NetR155_2: R155.2 U18.4
NetR166_1: R166.1 R168.2 U21.27
NetR167_1: R167.1 R170.2 U22.5
NetR169_2: R169.2 U21.30
NetR171_2: R171.2 U21.36
NetR172_1: R172.1 R173.2 U23.3
NetR174_1: R174.1 R175.2 U24.8
NetR176_2: R176.2 U25.7
NetR177_1: R177.1 R178.2 U7.A3
NetRF1_1: RF1.1 U17.23
NetRF1_2: RF1.2 RG1.1 U17.24
NetRF2_1: RF2.1 U17.5
NetRF2_2: RF2.2 RG2.1 U17.6
NetU1_17: U1.17 U1.18 U1.19 U1.20 U1.21 U1.22 U1.23 U1.24 U1.25 U1.39
NetU15_9: U15.9 Y2.3
PGOOD_DDR: R8.1 U6.9
PROGRAM_B: M1.9 Q1.3 R20.1 U7.AF3
RX_CHIP_N: T1.8 U15.4
RX_CHIP_P: T1.6 U15.5
RX_MAG_N: D28.1 J3.6 T1.9
RX_MAG_P: D27.1 J3.3 T1.11
SHIELD_USB: J1.6 J1.7 J1.8 J1.9 J1.10 J1.11 R83.2
TEMP_SCLK: R18.1 U7.Y15 U8.4 U9.4
TEMP_SDA: R17.1 U7.AA15 U8.5 U9.5
TX_CHIP_N: T1.3 U15.6
TX_CHIP_P: T1.1 U15.7
TX_MAG_N: D26.1 J3.2 T1.14
TX_MAG_P: D25.1 J3.1 T1.16
UART_CTS: M1.3 U7.F13
UART_RTS: R80.1 U7.C12
UART_RXD: M1.5 U7.D12
UART_TXD: R77.1 U7.A12
USB_IN_DIR_N: ISO1.6 R78.1
USB_IN_DIR_P: ISO1.7 R81.1
USB_IN_N: D5.3 J1.2 R78.2
USB_IN_P: D5.5 J1.3 R81.2
USB_ISO_DIR_N: ISO1.11 R79.2
USB_ISO_DIR_P: ISO1.10 R82.2
USB_ISO_N: M1.16 R79.1
USB_ISO_P: M1.17 R82.1
USB_PIN: ISO1.12 R71.1
USB_SPD: ISO1.13 R72.1
USB_SPU: ISO1.5 R73.1
USB_VDD1: C163.2 ISO1.3 ISO1.4 R73.2
VBUS_DETECT: M1.18 U13.7
VBUS_USB: C152.2 C159.2 C162.2 C164.2 D5.1 ISO1.1 J1.1 U13.1 U13.2
VCM_ADC: C190.2 C193.2 C203.2 C206.2 U16.23 U17.11 U17.17
VTT: C17.2 C18.2 C19.2 C120.2 C121.2 C124.2 C125.2 C128.2 C131.2 C134.2 C135.2 C136.2 C137.2 C140.2 C141.2 C142.2 C143.2 C144.2 C145.2 C146.2 C147.2 C148.2 C149.2 C150.2 C266.1 C267.1 C268.1 C269.1 C270.2 C271.2 R41.2 R42.2 R43.2 R44.2 R45.2 R46.2 R47.2 R48.2 R49.2 R50.2 R51.2 R52.2 R53.2 R54.2 R55.2 R56.2 R57.2 R62.1 R63.1 R64.1 R65.1 R66.1 R67.1 R68.1 R69.1 U6.3 U6.5
VTT_REF: C25.2 C138.1 C139.1 U6.6 U12.H1 U12.M8
pads on no net: D5.2 FID1.1 FID1.2 FID2.1 FID2.2 FID3.1 FID3.2 J1.4 J3.0 J3.9 J3.10 J8.7 J8.8 T1.4 T1.5 T1.12 T1.13 U1.2 U1.3 U1.6 U1.15 U1.16 U1.26 U1.27 U1.28 U1.37_1 U1.37_2 U1.37_3 U1.37_4 U1.37_5 U1.37_6 U1.37_7 U1.37_8 U1.37_9 U1.37_10 U1.37_11 U1.37_12 U2.8 U3.3 U4.8 U4.10 U5.3 U7.A2 U7.A8 U7.A11 U7.A13 U7.A22 U7.A23 U7.A25 U7.AA3 U7.AA4 U7.AA5 U7.AA7 U7.AA8 U7.AA14 U7.AA17 U7.AA18 U7.AA19 U7.AA20 U7.AA22 U7.AA23 U7.AA24 U7.AA25 U7.AA26 U7.AB4 U7.AB5 U7.AB6 U7.AB7 U7.AB8 U7.AB15 U7.AB17 U7.AB18 U7.AB19 U7.AB21 U7.AB22 U7.AB24 U7.AB26 U7.AC3 U7.AC4 U7.AC5 U7.AC7 U7.AC14 U7.AC15 U7.AC16 U7.AC17 U7.AC19 U7.AC20 U7.AC22 U7.AC23 U7.AC24 U7.AC25 U7.AC26 U7.AD4 U7.AD5 U7.AD7 U7.AD9 U7.AD10 U7.AD13 U7.AD14 U7.AD15 U7.AD17 U7.AD18 U7.AD19 U7.AD21 U7.AD23 U7.AD24 U7.AD26 U7.AE3 U7.AE5 U7.AE9 U7.AE13 U7.AE15 U7.AE17 U7.AE19 U7.AE21 U7.AE23 U7.AE24 U7.AE25 U7.AE26 U7.AF2 U7.AF5 U7.AF9 U7.AF10 U7.AF12 U7.AF13 U7.AF14 U7.AF15 U7.AF16 U7.AF17 U7.AF18 U7.AF19 U7.AF21 U7.AF24 U7.AF25 U7.B1 U7.B2 U7.B8 U7.B12 U7.B18 U7.B23 U7.B24 U7.B25 U7.B26 U7.C1 U7.C2 U7.C3 U7.C4 U7.C9 U7.C11 U7.C13 U7.C14 U7.C24 U7.C25 U7.C26 U7.D1 U7.D3 U7.D11 U7.D13 U7.D14 U7.D20 U7.D22 U7.D23 U7.D24 U7.D26 U7.E1 U7.E2 U7.E5 U7.E12 U7.E20 U7.E23 U7.E24 U7.E25 U7.E26 U7.F1 U7.F3 U7.F5 U7.F8 U7.F11 U7.F12 U7.F14 U7.F22 U7.F24 U7.F26 U7.G1 U7.G2 U7.G3 U7.G4 U7.G7 U7.G9 U7.G11 U7.G13 U7.G19 U7.G20 U7.G21 U7.G22 U7.G23 U7.G24 U7.G25 U7.G26 U7.H1 U7.H3 U7.H5 U7.H6 U7.H7 U7.H8 U7.H9 U7.H10 U7.H12 U7.H13 U7.H17 U7.H18 U7.H19 U7.H20 U7.H21 U7.H22 U7.H24 U7.H26 U7.J1 U7.J2 U7.J3 U7.J4 U7.J5 U7.J7 U7.J11 U7.J12 U7.J13 U7.J16 U7.J17 U7.J20 U7.J22 U7.J23 U7.J24 U7.J25 U7.J26 U7.K1 U7.K3 U7.K5 U7.K6 U7.K7 U7.K8 U7.K10 U7.K12 U7.K14 U7.K15 U7.K18 U7.K19 U7.K20 U7.K21 U7.K22 U7.K24 U7.K26 U7.L1 U7.L2 U7.L6 U7.L7 U7.L8 U7.L9 U7.L17 U7.L18 U7.L19 U7.L20 U7.L21 U7.L23 U7.L24 U7.L25 U7.L26 U7.M1 U7.M3 U7.M4 U7.M18 U7.M19 U7.M21 U7.M23 U7.M24 U7.M26 U7.N1 U7.N2 U7.N17 U7.N18 U7.N19 U7.N20 U7.N21 U7.N22 U7.N23 U7.N24 U7.N25 U7.N26 U7.P17 U7.P18 U7.P20 U7.P21 U7.P22 U7.P24 U7.P26 U7.R5 U7.R6 U7.R7 U7.R10 U7.R17 U7.R18 U7.R19 U7.R20 U7.R21 U7.R22 U7.R23 U7.R24 U7.R25 U7.R26 U7.T4 U7.T6 U7.T8 U7.T9 U7.T10 U7.T18 U7.T19 U7.T20 U7.T22 U7.T23 U7.T24 U7.T26 U7.U3 U7.U4 U7.U5 U7.U7 U7.U8 U7.U9 U7.U17 U7.U19 U7.U20 U7.U21 U7.U22 U7.U23 U7.U24 U7.U25 U7.U26 U7.V5 U7.V6 U7.V7 U7.V8 U7.V10 U7.V15 U7.V16 U7.V17 U7.V18 U7.V19 U7.V20 U7.V22 U7.V23 U7.V24 U7.V26 U7.W5 U7.W7 U7.W8 U7.W9 U7.W10 U7.W16 U7.W17 U7.W18 U7.W19 U7.W21 U7.W22 U7.W24 U7.W25 U7.W26 U7.Y5 U7.Y6 U7.Y8 U7.Y9 U7.Y14 U7.Y16 U7.Y18 U7.Y20 U7.Y21 U7.Y22 U7.Y24 U7.Y26 U8.1 U9.1 U11.6 U11.7 U11.9 U11.10 U11.13 U11.31 U11.33 U11.44 U11.49 U11.50 U11.51 U11.52 U11.53 U11.54 U11.55 U11.56 U11.57 U11.58 U11.59 U11.60 U11.61 U11.62 U11.63 U11.64 U12.J1 U12.J9 U12.L1 U12.L9 U12.M7 U12.T7 U13.6 U15.8 U16.22 U17.PAD U20.2 U20.4 U20.5 U20.6 U20.8 U20.9 U20.10 U20.11 U20.12 U20.17 U20.18 U20.19 U20.21 U21.2 U21.3 U21.6 U21.7 U21.21 U21.22 U21.23 U21.24 U21.25 U21.28 U21.31 U21.35 U21.38 U21.41 U22.3 U23.2 U23.4 U23.5 U23.8 U23.9 U23.11 U23.12 U23.17 U23.18 U23.19 U24.3 U25.8 U25.10 Y1.1 Y1.2
copper on no net:
  other v1: 138.2,36.5 139.3,36.5 138.2,37.6 139.3,37.6
  other v3: 215.094,69.448 216.094,69.448 217.094,69.448 215.094,70.448 216.094,70.448 217.094,70.448 215.094,71.448 216.094,71.448 217.094,71.448

## Polygon pours and split planes (outlines as drawn)
no net on GND_1 (split plane): 239.49,0.764 0.508,0.764 0.506,0.764 -0.674,259.49 239.49,259.49
no net on GND_2 (split plane): 239.49,0.764 0.508,0.764 0.506,0.764 -0.674,259.49 239.49,259.49
no net on PWR_1 (split plane): 239.49,0.764 0.508,0.764 0.506,0.764 -0.674,259.49 239.49,259.49
no net on GND_3 (split plane): 239.49,0.764 0.508,0.764 0.506,0.764 -0.674,259.49 239.49,259.49
no net on PWR_2 (split plane): 239.49,0.764 0.508,0.764 0.506,0.764 -0.674,259.49 239.49,259.49
no net on PWR_3 (split plane): 239.49,0.764 0.508,0.764 0.506,0.764 -0.674,259.49 239.49,259.49
no net on GND_4 (split plane): 239.49,0.764 0.508,0.764 0.506,0.764 -0.674,259.49 239.49,259.49
no net on PWR_4 (split plane): 239.49,0.764 0.508,0.764 0.506,0.764 -0.674,259.49 239.49,259.49
no net on GND_5 (split plane): 239.49,0.764 0.508,0.764 0.506,0.764 -0.674,259.49 239.49,259.49
no net on GND_6 (split plane): 239.49,0.764 0.508,0.764 0.506,0.764 -0.674,259.49 239.49,259.49

## Silkscreen, mask and mechanical layers (free items; w line width, h text height)
Top Overlay:
  rectangle: -31.785,63.011 -18.867,70.714
  lines w0.127: -38.608,87.884 -38.608,93.98 -10.922,93.98 -10.922,87.884 -38.608,87.884
  text ".Project_Name" at -48.991,93.98 h2
  text ".Project_Global" at -37.561,88.392 h1
  text ".Project_Revision" at -34.036,83.98 h1.02
  text "Revision" at -31.59,83.98 h1.02
  text "Designed by:" at -32.156,78.74 h0.91
  text ".Project_Designer1" at -33.354,77.489 h0.91
  text ".Project_Designer2" at -33.354,75.705 h0.91
  text "Serial #" at -31.867,70.286 h1
  text "NE PAS OUBLIER DE ROUTER  / VTT_REF LOIN DE VTT" at 11.43,33.02 h1.52

## Text inside footprints (layer, text, board x,y; h text height)
D1: Top Overlay "+" at 202.798,181.074 h0.5
D2: Top Overlay "+" at 202.798,177.772 h0.5
D3: Top Overlay "+" at 202.798,174.216 h0.5
D4: Top Overlay "+" at 202.798,170.914 h0.5
D6: Top Overlay "*" at 199.353,90.392 h1.27 r90; Top 3D Models "*" at 199.353,92.586 h1.27 r90
D7: Top Overlay "*" at 197.394,90.392 h1.27 r90; Top 3D Models "*" at 197.394,92.586 h1.27 r90
D12: Top Overlay "*" at 197.242,211.788 h1.27; Top 3D Models "*" at 199.437,211.788 h1.27
D13: Top Overlay "+" at 180.328,183.45 h0.5 r90
D14: Top Overlay "+" at 51.191,207.034 h0.5 r90
D15: Top Overlay "+" at 77.942,203.795 h0.5 r90
D16: Top Overlay "+" at 7.342,205.828 h0.5 r90
D17: Top Overlay "+" at 195.441,215.741 h0.5 r90
D18: Top Overlay "+" at 214.48,61.836 h0.5 r90
D20: Top Overlay "+" at 205.75,202.846 h0.5
J1: Top Assembly "Board Edge" at 240.231,132.424 h0.6 r90
J2: Top Overlay "1" at 236.841,223.1 h1.65 r90; Top Assembly "INSERT WIRES ON THIS SIDE" at 241.141,225.2 h0.8 r90
J3: Top Overlay "*" at 237.506,118.031 h1.65 r90
J8: Top Overlay "3" at 224.125,200.111 h1.52 r270
Q3: Top Overlay "*" at 203.076,217.417 h1.27 r270
U21: Top 3D Models "The 3D model is a 39pin instead of 41. For package representation only" at 183.944,216.537 h0.1